# Altium PCB HollowClock4_1.PcbDoc
Units mm, origin at the board's own origin, x right, y up, seen from the top; angles counter-clockwise.
Board outline 69 x 42 mm, 2 copper layers (Top Layer, Bottom Layer), stack 0.8 mm thick; 35 components, 47 nets, 209 pads, 120 vias.
Unrouted connection lines stored in the file: 21.
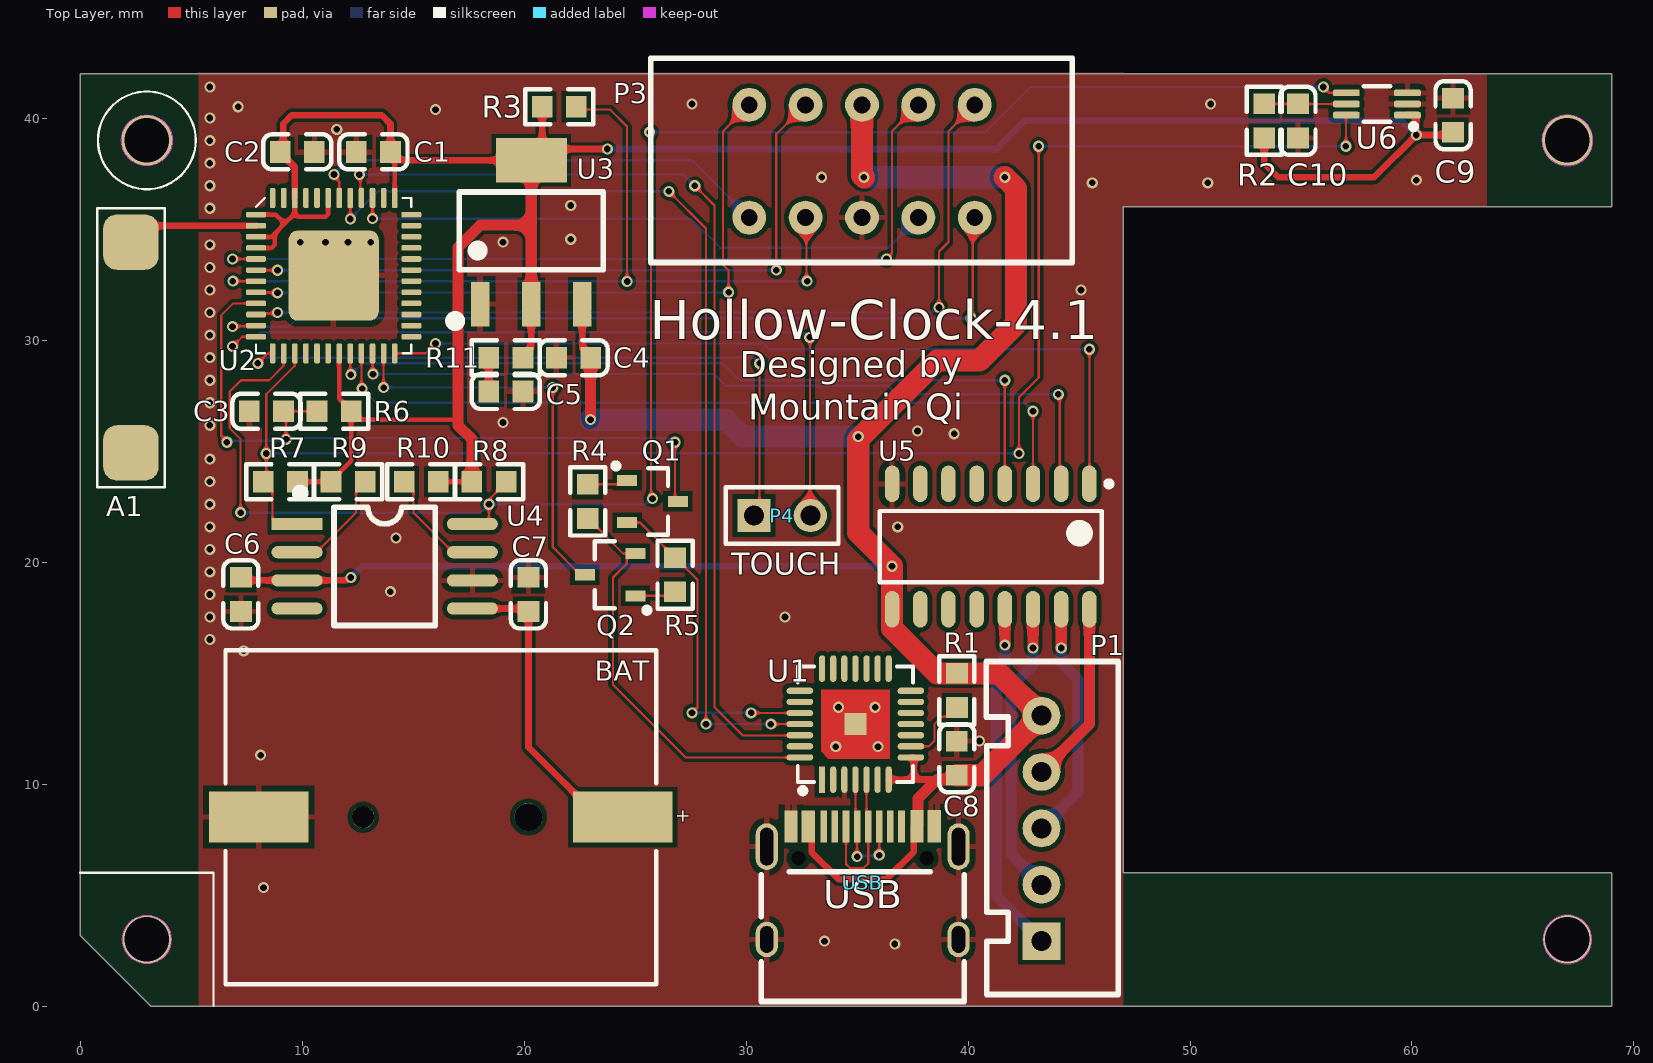
[diagram p0: Top Layer view]
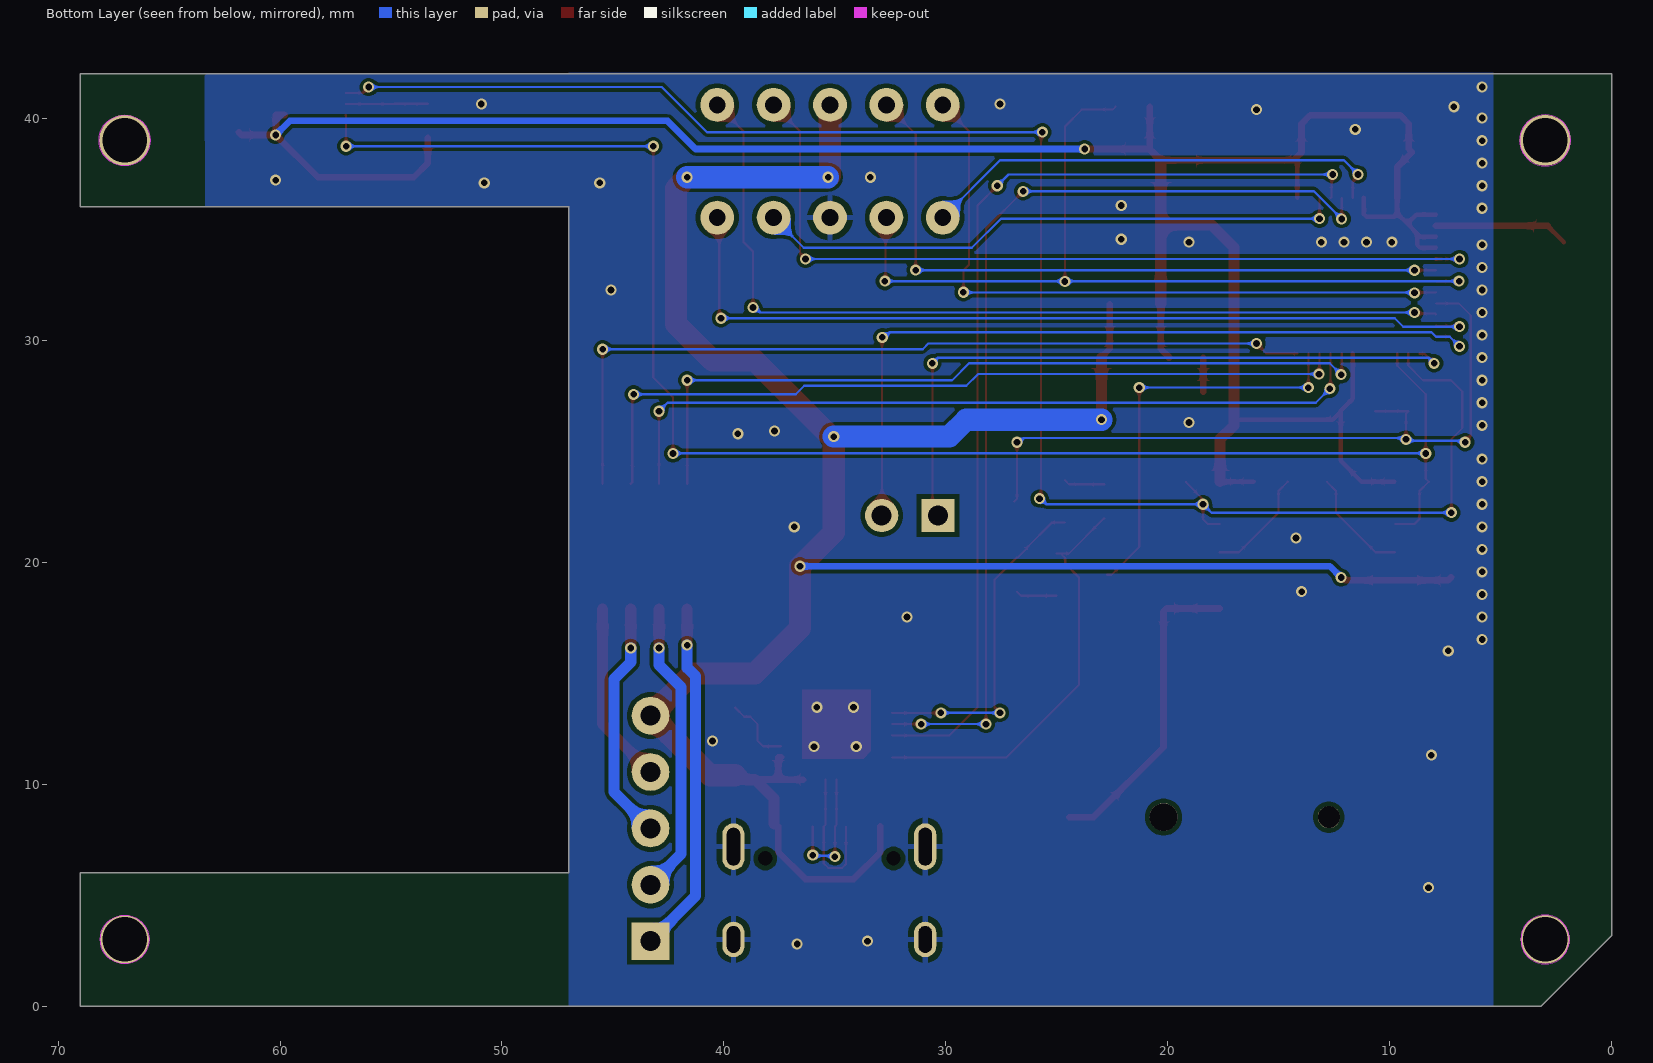
[diagram p1: Bottom Layer view, seen from below]
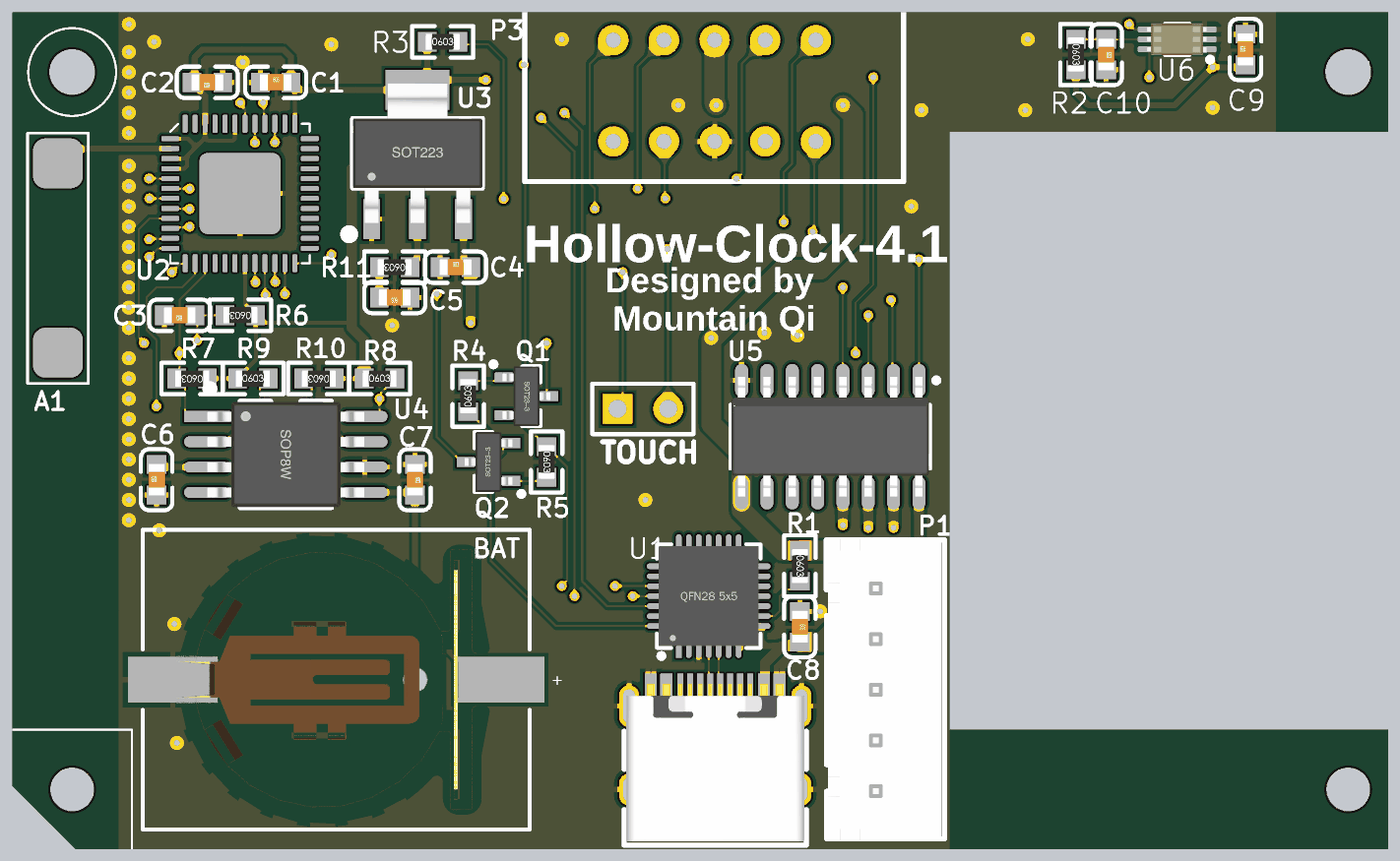
[diagram p2: 3D render of the assembled board from above, using the file's embedded part models]

## Layer stack, top to bottom
Top Solder: solder mask 0.1, Solder Resist, Dk 3.5
Top Layer: signal copper 0.2
Dielectric 1: dielectric 0.4, FR-4, Dk 4.8
Bottom Layer: signal copper 0.2
Bottom Solder: solder mask 0.1, Solder Resist, Dk 3.5

## Board outline
3.175,0 0,3.175 0,42 69,42 69,36 47,36 47,6 69,6 69,0
cut-out: 65.85,39 ccw(c67,39) 67,37.85 ccw(c67,39) 68.15,39 ccw(c67,39) 67,40.15 ccw(c67,39)
cut-out: 65.9,3 ccw(c67,3) 67,1.9 ccw(c67,3) 68.1,3 ccw(c67,3) 67,4.1 ccw(c67,3)
cut-out: 3,37.85 cw(c3,39) 1.85,39 cw(c3,39) 3,40.15 cw(c3,39) 4.15,39 cw(c3,39)
cut-out: 3,1.9 cw(c3,3) 1.9,3 cw(c3,3) 3,4.1 cw(c3,3) 4.1,3 cw(c3,3)
board region "Default Layer Stack Region": 3.175,0 0,3.175 0,42 69,42 69,36 47,36 47,6 69,6 69,0
board region "Layer Stack Region 1": 3.175,0 0,3.175 0,42 69,42 69,36 47,36 47,6 69,6 69,0

## Design rules (kind name [scope] priority, off if disabled: settings)
Clearance [All] p1: gap=0.15 ignorepadtopadclearanceinfootprint=FALSE except(0.2: SMDPad-Poly THPad-Poly)
PolygonConnect [All] p1: thpad.connectstyle=Relief thpad.reliefconductorwidth=0.254 thpad.reliefentries=4 thpad.polygonreliefangle="90 Angle" thpad.airgapwidth=0.254 smdpad.connectstyle=Relief smdpad.reliefconductorwidth=0.254 smdpad.reliefentries=4 smdpad.polygonreliefangle="90 Angle" smdpad.airgapwidth=0.254 via.connectstyle=Direct via.reliefconductorwidth=0.254 via.reliefentries=4 via.polygonreliefangle="90 Angle" via.airgapwidth=0.254
RoutingVias [All] p1: holewidth=0.3 width=0.5 viastyle="Through Hole" minholewidth=0.3 minwidth=0.5 maxholewidth=5 maxwidth=5
SolderMaskExpansion [All] p1: expansion=0.102 istentingtop=FALSE
Width [All] p1: maxlimit=10 minlimit=0.1 preferedwidth=0.1
30 further rules are at their usual default settings.

## Components (designator, comment, footprint, x,y, rotation, side; value= is the part's Value field where it differs from the comment)
A1 "RAINSUN" AN9520 2.286,34.417 r270 top
BAT "CR1220" FP-S8411-45R-MFG 16.243,8.509 r90 top locked (schematic designator BT)
C1 "10uF" 0603_C 13.208,38.481 r0 top value=0.1u
C2 "0.1uF" 0603_C 9.779,38.481 r180 top value=0.1u
C3 "1uF" 0603_C 8.39,26.797 r180 top value=0.1u
C4 "10uF" 0603_C 22.225,29.21 r0 top value=0.1u
C5 "10uF" 0603_C 19.177,27.686 r180 top value=0.1u
C6 "0.1uF" 0603_C 7.239,18.542 r90 top value=0.1u
C7 "0.1uF" 0603_C 20.193,18.542 r270 top value=0.1u
C8 "0.1uF" 0603_C 39.493,11.164 r270 top value=0.1u
C9 "0.1uF" 0603_C 61.849,40.132 r90 top value=0.1u
C10 "0.1uF" 0603_C 54.864,39.878 r270 top value=0.1u
P1 "28BYJ48" XH2.54-LI-5P 43.307,8.001 r90 top locked
P3 "Header 5X2" 10Pin-2.54-5*2 40.3,40.6 r180 top locked
P4 "电容按键" HDR1X2 30.353,22.098 r0 top
Q1 "S8050" SOT23-3 25.781,22.733 r270 top
Q2 "S8050" SOT23-3 23.876,19.431 r90 top
R1 "10K" 0603_R 39.497,14.216 r270 top value=22R
R2 "10K" 0603_R 53.34,39.878 r270 top value=22R
R3 "10K" 0603_R 21.582,40.513 r0 top value=22R
R4 "10K" 0603_R 22.86,22.733 r90 top value=22R
R5 "10K" 0603_R 26.797,19.431 r270 top value=22R
R6 "10K" 0603_R 11.438,26.797 r180 top value=22R
R7 "10K" 0603_R 9.017,23.622 r180 top value=22R
R8 "10K" 0603_R 18.415,23.622 r0 top value=22R
R9 "10K" 0603_R 12.065,23.622 r0 top value=22R
R10 "10K" 0603_R 15.367,23.622 r180 top value=22R
R11 "1R" 0603_R 19.177,29.21 r180 top value=22R
U1 "CP2102" "QFN28 5x5" 34.925,12.7 r0 top value=Value
U2 "ESP32-PICO-D4" QFN-48_7X7 11.418,32.905 r0 top
U3 "LM1117MP-3.3" SOT223 20.32,34.925 r0 top
U4 "SD3078" SOP8W 13.716,19.812 r0 top
U5 "ULN2003ADR" D0016A_M 41.021,20.701 r270 top
U6 "BH1750FVI-TR" BH1750 58.42,40.64 r180 top
USB "Type-C" "USB Type-C-16Pin_A" 35.25,3 r0 top locked

## Footprints (in the part's own frame and the unit in brackets; to place one, negate y for a bottom-side part, rotate by r counter-clockwise, add the part's x,y. Pads: shape width x height; smd on the part's side, far side on the other; paste and mask are expansions set on the pad)
10Pin-2.54-5*2 [mil] "10Pin双排插座"
  round 60 hole 30: 1(0,0) 2(0,200) 3(100,0) 4(100,200) 5(200,0) 6(200,200) 7(300,0) 8(300,200) 9(400,0) 10(400,200)
  silkscreen extent -173,-83 575,280, body extent -173,-87 575,276, height 614
0603_C [mm] "无极性贴片电容"
  rect 0.93x0.98 smd: 1(-0.77,0) 2(0.77,0)
  silkscreen extent -1.53,-0.79 1.54,0.79, body extent -0.8,-0.4 0.8,0.4, height 0.3
0603_R [mm] "1/10W贴片电阻"
  rect 0.93x0.98 smd: 1(-0.77,0) 2(0.77,0)
  silkscreen extent -1.53,-0.79 1.54,0.79, body extent -0.85,-0.4 0.85,0.4, height 0.56
AN9520 [mm] "贴片陶瓷天线"
  rrect50% 2.5x2.5 smd: 1(0,0) 2(9.5,0)
  silkscreen extent -1.52,-1.52 11.05,1.52
BH1750 [mm] "环境光传感器"
  rrect50% 1.2x0.3 smd paste+0 mask+0: 1(-1.375,0.5) 2(-1.375,0) 3(-1.375,-0.5) 4(1.375,-0.5) 5(1.375,0) 6(1.375,0.5)
  silkscreen extent -1.78,-0.8 0.6,1.14, body extent -1.49,-0.81 1.51,0.79, height 0.77
D0016A_M [mm] "SOIC, 16-Leads, Body 10x4mm, Pitch 1.27mm, IPC Low Density"
  oval 1.65x0.65 smd: 1(-2.825,4.445) 2(-2.825,3.175) 3(-2.825,1.905) 4(-2.825,0.635) 5(-2.825,-0.635) 6(-2.825,-1.905) 7(-2.825,-3.175) 8(-2.825,-4.445) 9(2.825,-4.445) 10(2.825,-3.175) 11(2.825,-1.905) 12(2.825,-0.635) 13(2.825,0.635) 14(2.825,1.905) 15(2.825,3.175) 16(2.825,4.445)
  silkscreen extent -2.95,-5 1.6,5.45, body extent -3,-4.95 3,4.95, height 1.59
FP-S8411-45R-MFG [mm]
  rect 2.3x4.5 smd paste+0 mask+0: 1(0,8.2) 2(0,-8.2)
  round 1 hole 1 unplated paste-1000 mask+0: ""(0,3.5)
  round 1.25 hole 1.25 unplated paste-1000 mask+0: ""(0,-3.95)
  silkscreen extent -7.52,-9.7 7.52,9.7, body extent -7.63,-10.55 7.63,10.55, height 0.25
HDR1X2 [mm] "Connector; Header; 2 Position"
  rect 1.5x1.5 hole 0.9: 1(0,0)
  round 1.5 hole 0.9: 2(2.54,0)
  silkscreen extent -1.27,-1.27 3.81,1.27
"QFN28 5x5" [mm] "28脚，长x宽x高：5x5x0.8mm，脚距：0.5mm"
  rect 0.28x1.2 smd: 1(-1.5,-2.5)
  oval 0.28x1.2 smd: 2(-1,-2.5) 3(-0.5,-2.5) 4(0,-2.5) 5(0.5,-2.5) 6(1,-2.5) 7(1.5,-2.5) 15(1.5,2.5) 16(1,2.5) 17(0.5,2.5) 18(0,2.5) 19(-0.5,2.5) 20(-1,2.5) 21(-1.5,2.5)
  oval 1.2x0.28 smd: 8(2.5,-1.5) 9(2.5,-1) 10(2.5,-0.5) 11(2.5,0) 12(2.5,0.5) 13(2.5,1) 14(2.5,1.5) 22(-2.5,1.5) 23(-2.5,1) 24(-2.5,0.5) 25(-2.5,0) 26(-2.5,-0.5) 27(-2.5,-1) 28(-2.5,-1.5)
  rect 1x1 smd: 29(0,0)
  Top Layer region: -1.55,1.55 1.55,1.55 1.55,-1.55 -1.225,-1.55 -1.55,-1.225
  silkscreen extent -2.6,-3.12 2.6,2.6, body extent -2.51,-2.51 2.51,2.51, height 0.75
QFN-48_7X7 [mm]
  rrect20% 4.064x4.064 smd: 0(0,0)
  rrect50% 0.9x0.25 smd: 1(-3.5,2.75) 2(-3.5,2.25) 3(-3.5,1.75) 4(-3.5,1.25) 5(-3.5,0.75) 6(-3.5,0.25) 7(-3.5,-0.25) 8(-3.5,-0.75) 9(-3.5,-1.25) 10(-3.5,-1.75) 11(-3.5,-2.25) 12(-3.5,-2.75) 25(3.5,-2.75) 26(3.5,-2.25) 27(3.5,-1.75) 28(3.5,-1.25) 29(3.5,-0.75) 30(3.5,-0.25) 31(3.5,0.25) 32(3.5,0.75) 33(3.5,1.25) 34(3.5,1.75) 35(3.5,2.25) 36(3.5,2.75)
  rrect50% 0.25x0.9 smd: 13(-2.75,-3.5) 14(-2.25,-3.5) 15(-1.75,-3.5) 16(-1.25,-3.5) 17(-0.75,-3.5) 18(-0.25,-3.5) 19(0.25,-3.5) 20(0.75,-3.5) 21(1.25,-3.5) 22(1.75,-3.5) 23(2.25,-3.5) 24(2.75,-3.5) 37(2.75,3.5) 38(2.25,3.5) 39(1.75,3.5) 40(1.25,3.5) 41(0.75,3.5) 42(0.25,3.5) 43(-0.25,3.5) 44(-0.75,3.5) 45(-1.25,3.5) 46(-1.75,3.5) 47(-2.25,3.5) 48(-2.75,3.5)
  silkscreen extent -3.5,-3.5 3.5,3.5, body extent -3.5,-3.5 3.5,3.5, height 1
SOP8W [mm] "5.3*8.3*1.8mm（长宽高）"
  rect 2.3x0.55 smd: 1(-3.95,1.905)
  oval 2.3x0.55 smd: 2(-3.95,0.635) 3(-3.95,-0.635) 4(-3.95,-1.905) 5(3.95,-1.905) 6(3.95,-0.635) 7(3.95,0.635) 8(3.95,1.905)
  silkscreen extent -3.94,-2.67 2.29,3.43, body extent -3.94,-2.64 3.94,2.64, height 1.9
SOT23-3 [mm] "3x1.3x1mm(长宽高)"
  rect 0.5x0.9 smd: 1(-0.95,-1.143) 2(0.95,-1.143) 3(0,1.143)
  silkscreen extent -1.72,-1.78 1.5,0.7, body extent -1.5,-1.2 1.5,1.2, height 1.05
SOT223 [mm] "6.4x7x1.6mm(长宽高)"
  rect 0.85x2 smd: 1(-2.3,-3.302) 2(0,-3.302) 3(2.3,-3.302)
  rect 3.2x2 smd: 2(0,3.175)
  silkscreen extent -3.63,-4.26 3.25,1.75, body extent -3.25,-3.51 3.25,3.51, height 1.65
"USB Type-C-16Pin_A" [mm]
  round 0 hole 0.65: 0(-2.89,3.65) 0(2.89,3.65)
  oval 1x2.1 hole 0.6 slot 1.7 at 90 deg: 1(-4.32,4.18) 4(4.32,4.18)
  oval 1x1.6 hole 0.6 slot 1.2 at 90 deg: 2(-4.32,0) 3(4.32,0)
  rect 0.3x1.45 smd: A1(-3.375,5.092) A4(-2.6,5.092) A5(-1.25,5.092) A6(-0.25,5.092) A7(0.25,5.092) A8(-1.75,5.092) A9(2.6,5.1) A12(3.375,5.1) B1(3.075,5.1) B4(2.3,5.1) B5(1.75,5.092) B6(0.75,5.092) B7(-0.75,5.092) B8(1.25,5.092) B9(-2.3,5.092) B12(-3.075,5.092)
  silkscreen extent -4.57,-2.79 4.57,3.05, body extent -4.47,-2.6 4.47,5.3, height 3.25
XH2.54-LI-5P [mm] "接插件，5P"
  rect 1.7x1.7 hole 0.9: 1(-5.08,0)
  round 1.7 hole 0.9: 2(-2.54,0) 3(0,0) 4(2.54,0) 5(5.08,0)
  silkscreen extent -7.48,-3.45 7.52,2.49, body extent -7.58,-3.3 7.58,2.4, height 7.03

## Part data
A1: library part ANT-Rainsun-AP5120
BAT: library part CMP-15817-000007-1, "BATTERY HOLDER COIN 12MM SMD", Case/Package=SMD/SMT, Max Operating Temperature=105°C, Min Operating Temperature=-55°C, Package Quantity=500, Contact Plating=Bronze, Material=Polyphenylene, Mount="Surface Mount", Number of Batteries=1, Number of Cells=1, Packaging="Tape and Reel", REACH SVHC="No SVHC", Termination=SMD/SMT
C1 C2 C3 C4 C5 C6 C7 C8 C9 C10: library part 电容-0402, "Capacitor"
P1: library part "Header 5", "Header, 5-Pin", LatestRevisionDate=17-Jul-2002, LatestRevisionNote="Re-released for DXP Platform.", Publisher="Altium Limited"
P3: "Header, 5-Pin, Dual row", LatestRevisionDate=17-Jul-2002, LatestRevisionNote="Re-released for DXP Platform.", Publisher="Altium Limited"
P4: library part "Header 2", "Header, 2-Pin", LatestRevisionDate=17-Jul-2002, LatestRevisionNote="Re-released for DXP Platform.", Publisher="Altium Limited"
Q1 Q2: library part SMT_TRIODE_NPN, "Surface mount NPN transistor, package SOT-23"
R1 R2 R3 R4 R5 R6 R7 R8 R9 R10 R11: library part 电阻-0402, "Resistor"
U1: "USB转TTL", MFG #1="SILICON LABS", PART DESC="SINGLE-CHIP USB TO UART BRIDGE, QFN28, RoHS.", PART NUMBER=CP2102, RefDes=RefDes, Type=DEV
U2: library part ESP32-PICO
U3: library part PM-REG-LM1086-SOT4, "800mA Low-Dropout Linear Regulator, 4-pin SOT-223", Manufacturer="National Semiconductor", PackageTopMarking=XYTT*N05A, PowerWise=N, Code_IPC=SOT223-4, Code_JEDEC=TO-261-AA, ComponentLink1Description="Manufacturer URL", ComponentLink1URL=http://www.national.com/, ComponentLink2Description="LM1117 Datasheet", ComponentLink2URL=http://www.national.com/ds/LM/LM1117.pdf, ComponentLink3Description="LM1117 Web Page", ComponentLink3URL=http://www.national.com/pf/LM/LM1117.html, ComponentLink4Description="MP04A Package Page", ComponentLink4URL=http://www.national.com/packaging/folders/mp04a.html, CompType="LDO IC", DatasheetVersion=Apr-2006, High-Reliability=Y, PackageDescription="Molded SOT-223, 6.50 x 3.56 x 1.6mm Body, 4 Lead, 2.3mm Pitch", PackageReference=MP04A, PackageVersion="revB, Apr-2003", PartNumber=LM1117MP-3.3, PinCount=4, RevisionNote="SCH symbol layout adjusted", RoHS=N
U4: BOM_JLCPCB Part Class="Extended Part", BOM_Manufacturer=WAVE(威帆电子), BOM_Manufacturer Part=SD3078, BOM_Supplier=LCSC, BOM_Supplier Part=C916255, Contributor=lcsc, link=https://atta.szlcsc.com/upload/public/pdf/source/20220505/0AE3F2E5FBD9F5D8ADBB440EBFD40241.pdf, spicePre=U, spiceSymbolName=SD3078
U5: library part CMP-2000-04953-1, "High-Voltage, High-Current Darlington Transistor Array, 0.5 A, 50 V, -20 to 70 degC, 16-Pin SOIC (D), Green (RoHS & no Sb/Br), Tape and Reel", Manufacturer=TexasInstruments, Maximum Collector Emitter Saturation Voltage=1.1@100mA, Maximum Collector Emitter Voltage=50V, Package=16SOIC, Package Description="16-Pin Plastic Small Outline, Body 9.9 x 3.9 mm, Pitch 1.27 mm", Package Reference=D16, Package Version="4040047-6/M, 06/2011", Peak DC Collector Current=0.5A, Category=DarlingtonBJT, Configuration=Array7, Datasheet URL=http://www.ti.com/general/docs/lit/getliterature.tsp?genericPartNumber=uln2003a&fileType=pdf, Datasheet Version="Rev. O, 01/2016", Manufacturer URL=http://www.ti.com/, Mounting=SurfaceMount, Package URL=http://www.ti.com/lit/ml/mpds178g/mpds178g.pdf, Packaging=Tape&Reel, Rad Hard=No, Type=NPN
U6: "光照传感器"
USB: library part USB-Type-C-TOP

## Free pads (board coordinates)
  round 2.2 hole 2: 4(3,3) 4(67,3)
  round 2.3 hole 2: 4(3,39) 4(67,39)

## Via types
v1: diameter 0.5, hole 0.3, Top Layer to Bottom Layer, 120 vias

## Nets (pads, with @x,y where several pads share a name; then routed paths per layer and width w, separated by ;. In a path a pad name is that pad's centre, name@x,y a point inside that pad or via, vN(x,y) a via of type N, cw(c..) or ccw(c..) an arc to the next point about the centre after c; other vN are vias at no path point)
3V3: C1.2 C2.2 C9.1 R2.2 R3.1 R6.1 R7.1 R8.1 R9.1 R10.1 R11.1 U2.1 U2.3 U2.4 U2.19 U2.37 U2.43 U2.46 U3.2 U6.1 | length 119.3
  Top Layer w0.2: U2.4 8.628,34.155 8.763,34.29 8.763,34.798 ; U2.3 8.62,34.655 8.763,34.798 ; U2.1 8.81,35.655 9.215,35.25 ; U2.46 9.668,35.703 ; R7.1 R9.1 11.295,23.647 12.208,24.56 R6.1@12.208,26.781 ; U2.43 11.168,35.679 11.049,35.56 9.81,35.56 9.668,35.703 ; U2.19 11.668,27.362 12.208,26.822 R6.1 R6.1@12.208,26.781 ; U2.37 C1.2@14.168,38.266 ; R10.1 R8.1 ; 17.018,26.416 12.573,26.416 R6.1@12.208,26.781 ; 8.763,34.798 9.215,35.25 ; 9.215,35.25 9.668,35.703
  Top Layer w0.3: U2.46 9.668,37.797 9.009,38.456 C2.2 9.144,38.616 9.144,39.751 9.525,40.132 13.589,40.132 13.978,39.743 C1.2 13.978,38.456 14.168,38.266 14.334,38.1 20.32,38.1 U3.2@20.812,38.592 ; R11.1 19.947,29.235 20.32,29.608 U3.2@20.32,31.623 ; R3.1 U3.2@20.812,38.592 ; v1(23.749,38.608) 20.828,38.608 U3.2@20.812,38.592 ; R2.2 53.34,37.973 53.975,37.338 58.293,37.338 v1(60.198,39.243) ; U6.1 60.184,40.14 60.184,39.257 v1(60.198,39.243) ; C9.1 61.73,39.243 v1(60.198,39.243)
  Top Layer w0.5: R8.1 17.645,25.535 17.018,26.162 17.018,26.416 17.018,34.163 18.034,35.179 20.32,35.179 ; U3.2@20.32,31.623 20.32,35.179 ; U3.2@20.32,38.1 20.32,35.179
  Bottom Layer w0.3: v1(23.749,38.608) 41.275,38.608 42.545,39.878 59.563,39.878 v1(60.198,39.243)
5V: C4.2 C6.2 C8.2 P1.5 P3.5 R1.1 U1.7 U1.8 U3.3 U4.3 U5.9 USB.A4 USB.A9 USB.B4 USB.B9 | length 110.1
  Top Layer w0.3: C6.2 7.374,19.177 U4.3 12.011,19.177 12.138,19.304 v1(12.192,19.304) ; U3.3 22.62,29.61 22.995,29.235 C4.2 C4.2@22.987,29.202 ; USB.B9 32.95,6.928 34.163,5.715 36.322,5.715 37.55,6.943 USB.B4 ; U1.7 37.55,10.2 ; U1.8 37.54,11.2 37.55,11.19 37.55,10.2 ; 38.608,10.2 37.55,10.2
  Top Layer w0.5: v1(22.987,26.416) C4.2@22.987,29.202 ; USB.A9@37.75,8.2 37.75,9.342 38.608,10.2 39.029,10.2 39.299,10.2 C8.2
  Top Layer w1: P3.5 35.22,37.424 v1(35.306,37.338) ; C8.2 40.62,10.394 P1.5 41.402,14.986 38.608,14.986 36.576,17.018 U5.9 v1(36.576,19.812) 35.052,21.336 35.052,25.527 38.608,29.083 40.513,29.083 42.164,30.734 42.164,36.83 v1(41.656,37.338)
  Bottom Layer w0.3: v1(12.192,19.304) 12.7,19.812 v1(36.576,19.812)
  Bottom Layer w1: v1(22.987,26.416) 29.083,26.416 29.845,25.654 v1(35.052,25.654) ; v1(35.306,37.338) v1(41.656,37.338)
BlueLine: P1.1 U5.13 | length 16
  Top Layer w0.5: v1(41.656,16.256) U5.13
  Bottom Layer w0.5: v1(41.656,16.256) 41.656,15.24 41.275,14.859 41.275,4.953 P1.1
CP_Rx: U1.25 U2.41 | length 44.8
  Top Layer w0.1: U2.41 v1(12.168,35.457) v1@12.192,35.433 ; v1(26.517,36.703) 28.194,35.026 v1(28.194,12.7) ; v1(31.115,12.7) U1.25
  Bottom Layer w0.1: v1(12.168,35.457) 13.413,36.703 v1(26.517,36.703) ; v1(28.194,12.7) v1(31.115,12.7)
CP_Tx: U1.26 U2.40 | length 44.7
  Top Layer w0.1: v1(12.573,37.465) 12.62,37.418 12.62,36.453 U2.40 ; v1(27.686,36.957) 28.575,36.068 28.575,13.462 29.845,12.192 32.417,12.192 U1.26
  Bottom Layer w0.1: v1(12.573,37.465) 27.178,37.465 v1(27.686,36.957)
DTR: Q2.2 R4.1 U1.28 | length 18.8
  Top Layer w0.1: R4.1 22.885,21.963 24.467,20.381 Q2.2@24.819,20.381 ; Q2.2 Q2.2@24.819,20.381 ; U1.28 27.281,11.2 24.003,14.478 24.003,19.304 24.619,19.92 24.619,20.181 Q2.2@24.819,20.381
EN: C3.1 Q1.3 R6.2 U2.9 | length 33.5
  Top Layer w0.1: v1(6.604,25.4) 6.604,25.458 6.35,25.712 6.35,31.115 6.89,31.655 U2.9 ; v1(9.271,25.527) 9.271,26.686 C3.1 R6.2 ; v1(26.797,25.4) 26.797,22.86 Q1.3
  Bottom Layer w0.1: v1(6.604,25.4) 6.667,25.463 9.207,25.463 9.335,25.59 26.498,25.59 26.689,25.4 v1(26.797,25.4)
GND: BAT.1 C1.1 C2.1 C3.2 C4.1 C5.1 C6.1 C7.1 C8.1 C9.2 C10.2 P3.6 U1.3 U1.29 U2.0 U3.1 U4.6 U5.8 U6.2 U6.3 USB.1 USB.2 USB.3 USB.4 USB.A1 USB.A12 USB.B1 USB.B12
  other v1: 36.703,2.794 33.528,2.921 8.255,5.334 8.128,11.303 34.036,11.684 35.941,11.684 40.513,11.938 34.163,13.462 35.814,13.462 7.366,16.002 5.842,16.51 5.842,17.526 31.75,17.526 5.842,18.542 13.97,18.669 5.842,19.558 5.842,20.574 14.224,21.082 5.842,21.59 36.83,21.59 5.842,22.606 5.842,23.622 5.842,24.638 39.37,25.781 37.719,25.908 5.842,26.162 19.05,26.289 5.842,27.178 5.842,28.194 5.842,29.21 5.842,30.226 5.842,31.242 5.842,32.258 45.085,32.258 5.842,33.274 5.842,34.29 9.906,34.417 11.049,34.417 12.065,34.417 13.081,34.417 19.05,34.417 22.098,34.544 5.842,35.941 22.098,36.068 5.842,36.957 45.593,37.084 50.8,37.084 60.198,37.211 33.401,37.338 5.842,37.973 5.842,38.989 11.557,39.497 5.842,40.005 16.002,40.386 7.112,40.513 27.559,40.64 50.927,40.64 5.842,41.402
GPIO0: Q2.3 U2.23 | length 18.4
  Top Layer w0.1: U2.23 v1(13.668,27.861) v1@13.716,27.813 ; v1(21.288,27.861) 21.288,20.676 22.533,19.431 Q2.3
  Bottom Layer w0.1: v1(13.668,27.861) v1(21.288,27.861) v1@21.336,27.813
GPIO2: U2.22 U5.2 | length 36.3
  Top Layer w0.1: U2.22 13.168,28.488 v1(13.188,28.468) v1@13.208,28.448 ; v1(44.069,27.559) 44.133,27.495 44.133,23.59 U5.2
  Bottom Layer w0.1: v1(13.188,28.468) 28.555,28.468 29.083,27.94 36.386,27.94 36.767,27.559 v1(44.069,27.559)
GPIO4: U2.24 U5.1 | length 37.7
  Top Layer w0.1: U2.24 15.562,29.405 v1(16.002,29.845) ; U5.1 v1(45.466,29.591)
  Bottom Layer w0.1: v1(16.002,29.845) 30.788,29.845 31.042,29.591 v1(45.466,29.591)
GPIO5: U2.34
GPIO12: U2.18
GPIO13: U2.20 U5.4 | length 35.6
  Top Layer w0.1: U2.20 12.168,28.472 v1(12.192,28.448) ; U5.4 v1(41.656,28.194)
  Bottom Layer w0.1: v1(12.192,28.448) 12.7,28.956 28.956,28.956 29.718,28.194 v1(41.656,28.194)
GPIO14: U2.17
GPIO15: U2.21 U5.3 | length 35.5
  Top Layer w0.1: U2.21 12.668,27.845 v1(12.7,27.813) ; U5.3 v1(42.926,26.797)
  Bottom Layer w0.1: v1(12.7,27.813) 13.335,27.178 42.545,27.178 v1(42.926,26.797)
GPIO18: U2.35
GPIO19: U2.38
GPIO21: P3.10 U2.42 | length 21.2
  Top Layer w0.1: v1(11.43,37.465) 11.43,37.375 11.668,37.137 U2.42
  Bottom Layer w0.1: v1(11.43,37.465) 12.065,38.1 27.56,38.1 P3.10
GPIO22: P3.4 U2.39 | length 26.7
  Top Layer w0.1: U2.39 v1(13.168,35.473) v1@13.208,35.433
  Bottom Layer w0.1: v1(13.168,35.473) 27.519,35.473 28.829,34.163 36.403,34.163 P3.4
GPIO23: U2.36
GPIO27: U2.16
GPIO32: P4.2 U2.12 | length 35.7
  Top Layer w0.1: v1(6.858,29.718) 7.295,30.155 U2.12 ; v1(32.865,30.127) 32.879,30.113 32.879,22.112 P4.2
  Bottom Layer w0.1: v1(6.858,29.718) 7.297,30.157 7.918,30.157 7.921,30.16 7.95,30.19 8.118,30.357 32.527,30.357 32.785,30.099 v1@32.893,30.099
GPIO33: P4.1 U2.13 | length 30.6
  Top Layer w0.1: v1(8.001,28.956) 8.435,29.39 8.652,29.39 U2.13 ; P4.1 30.607,22.352 v1(30.607,28.956)
  Bottom Layer w0.1: v1(8.001,28.956) 8.255,29.21 30.353,29.21 v1(30.607,28.956)
GPIO34: P3.1 U2.10 | length 40.7
  Top Layer w0.1: U2.10 7.961,31.199 8.847,31.199 v1(8.89,31.242) ; v1(38.691,31.471) 38.691,33.992 39.116,34.417 39.116,39.416 P3.1
  Bottom Layer w0.1: v1(8.89,31.242) 38.355,31.242 38.584,31.471 v1(38.691,31.471)
GPIO35: P3.2 U2.11 | length 39.1
  Top Layer w0.1: v1(6.858,30.607) 6.882,30.631 7.893,30.631 U2.11 ; v1(40.132,30.988) 40.209,31.065 40.209,35.429 P3.2
  Bottom Layer w0.1: v1(6.858,30.607) 9.398,30.607 9.779,30.988 v1(40.132,30.988)
GPIO36: P3.3 U2.5 | length 38.1
  Top Layer w0.1: v1(6.858,33.655) U2.5 ; v1(36.322,33.655) 36.576,33.909 36.576,39.416 P3.3
  Bottom Layer w0.1: v1(6.858,33.655) v1(36.322,33.655)
GPIO37: P3.7 U2.6 | length 31.4
  Top Layer w0.1: U2.6 7.922,33.151 8.886,33.151 v1(8.89,33.147) ; v1(31.361,33.155) 31.361,39.281 P3.7
  Bottom Layer w0.1: v1(8.89,33.147) 8.894,33.151 31.356,33.151 v1(31.361,33.155)
GPIO38: P3.8 R3.2 U2.7 | length 39.5
  Top Layer w0.1: v1(6.874,32.655) U2.7 ; R3.2 22.479,40.386 23.876,40.386 24.638,39.624 v1(24.638,32.639) ; P3.8 32.715,35.485 32.715,32.69 v1(32.75,32.655)
  Top Layer w0.2: v1@6.858,32.639 v1(6.874,32.655)
  Bottom Layer w0.1: v1(6.874,32.655) v1(32.75,32.655)
GPIO39: P3.9 U2.8 | length 30.4
  Top Layer w0.1: U2.8 7.93,32.143 8.878,32.143 v1(8.89,32.131) ; v1(29.21,32.155) 29.21,33.147 28.956,33.401 28.956,39.416 P3.9
  Bottom Layer w0.1: v1(8.89,32.131) 8.902,32.143 29.198,32.143 v1(29.21,32.155)
NetA1_1: A1.1 U2.2 | length 6.1
  Top Layer w0.2: A1.1@2.159,34.417 A1.1@2.897,35.155
  Top Layer w0.3: A1.1@2.897,35.155 U2.2
NetC5_2: C5.2 R11.2 | length 1.5
  Top Layer w0.3: C5.2 R11.2
NetC10_1: C10.1 R2.1 U6.5 | length 3.7
  Top Layer w0.1: R2.1 C10.1 54.872,40.64 U6.5
NetQ1_1: Q1.1 R4.2 | length 1.9
  Top Layer w0.1: R4.2 24.458,23.503 Q1.1
NetQ2_1: Q2.1 R5.2 | length 1.9
  Top Layer w0.1: Q2.1 26.617,18.481 R5.2
NetR1_2: R1.2 U1.9 | length 3.2
  Top Layer w0.1: U1.9 38.243,11.7 38.481,11.938 38.481,12.7 38.812,13.031 39.082,13.031 R1.2
NetR9_2: R9.2 U4.2 | length 5
  Top Layer w0.1: U4.2 10.641,20.447 12.42,22.226 12.42,23.207 R9.2
OrangeLine: P1.4 U5.16 | length 8.2
  Top Layer w0.5: P1.4 45.466,12.7 U5.16
PinkLine: P1.2 U5.14 | length 13.4
  Top Layer w0.5: v1(42.926,16.129) U5.14
  Bottom Layer w0.5: v1(42.926,16.129) 42.926,15.367 41.925,14.366 41.925,6.843 P1.2
RTC_BAT: BAT.2 C7.2 U4.5 | length 14.3
  Top Layer w0.3: U4.5 20.058,17.907 C7.2 20.193,11.659 23.343,8.509 BAT.2
RTC_INT: R10.2 U4.7 | length 5
  Top Layer w0.1: R10.2 15.012,23.207 15.012,22.226 16.791,20.447 U4.7
RTC_SCL: R7.2 U2.15 U4.1 U6.6 | length 72.8
  Top Layer w0.1: U2.15 9.668,28.845 8.382,27.559 v1(8.382,24.892) 8.382,23.757 R7.2 8.662,23.207 8.662,21.946 8.891,21.717 U4.1 ; v1(42.291,24.892) 42.291,27.432 43.18,28.321 v1(43.18,38.735) ; v1(57.023,38.735) 57.023,40.118 U6.6
  Bottom Layer w0.1: v1(8.382,24.892) 8.394,24.904 42.279,24.904 v1(42.291,24.892) ; v1(43.18,38.735) v1(57.023,38.735)
RTC_SDA: R8.2 U2.14 U4.8 U6.4 | length 79.8
  Top Layer w0.1: v1(7.225,22.228) 7.225,25.541 6.731,26.035 6.731,27.686 7.239,28.194 8.509,28.194 9.168,28.853 U2.14 ; U4.8 18.207,21.717 18.415,21.925 v1(18.415,22.606) 18.492,22.683 18.492,22.904 19.185,23.597 R8.2 ; v1(25.654,39.37) 25.717,39.306 25.717,22.924 v1(25.781,22.86) ; v1(56.007,41.402) 56.269,41.14 U6.4
  Bottom Layer w0.1: v1(7.225,22.228) 18.037,22.228 18.307,22.498 18.307,22.606 25.469,22.606 25.723,22.86 v1(25.781,22.86) ; v1(25.654,39.37) 40.767,39.37 42.799,41.402 v1(56.007,41.402)
RTS: Q1.2 R5.1 U1.24 | length 15.2
  Top Layer w0.1: Q1.2 25.215,21.783 26.357,20.641 26.357,20.616 26.772,20.201 R5.1 26.822,20.201 27.813,19.21 27.813,13.462 v1(27.559,13.208) ; v1(30.226,13.208) 30.23,13.204 32.421,13.204 U1.24
  Bottom Layer w0.1: v1(27.559,13.208) v1(30.226,13.208)
USB-PWR-DM: U1.5 USB.A7 USB.B7 | length 6.7
  Top Layer w0.1: USB.B7 34.5,6.394 34.671,6.223 35.306,6.223 35.5,6.417 USB.A7 35.425,8.167 U1.5
USB-PWR-DP: U1.4 USB.A6 USB.B6 | length 5.9
  Top Layer w0.1: U1.4 34.925,8.167 USB.A6 v1(35,6.731) ; USB.B6 v1(36,6.799) v1@36.068,6.731
  Bottom Layer w0.1: v1(35,6.731) 35.034,6.765 35.966,6.765 v1(36,6.799)
YellowLine: P1.3 U5.15 | length 10.9
  Top Layer w0.5: v1(44.196,16.129) U5.15
  Bottom Layer w0.5: P1.3 44.958,9.652 44.958,14.732 44.196,15.494 v1(44.196,16.129)
pads on no net: A1.2 BAT. U1.1 U1.2 U1.6 U1.10 U1.11 U1.12 U1.13 U1.14 U1.15 U1.16 U1.17 U1.18 U1.19 U1.20 U1.21 U1.22 U1.23 U1.27 U2.25 U2.26 U2.27 U2.28 U2.29 U2.30 U2.31 U2.32 U2.33 U2.44 U2.45 U2.47 U2.48 U4.4 U5.5 U5.6 U5.7 U5.10 U5.11 U5.12 USB.0 USB.A5 USB.A8 USB.B5 USB.B8

## Polygon pours and split planes (outlines as drawn)
GND on Bottom Layer "GND_L02_P001" (solid, remove dead copper, pour order 1): 5.334,42.037 47,42.037 63.387,42 63.363,36 47,36 47,0 5.334,0
GND on Top Layer "GND_L01_P000" (solid, remove dead copper, pour order 0): 5.334,42.037 47,42.037 63.373,42 63.373,36 47,36 47,0 5.334,0

## Silkscreen, mask and mechanical layers (free items; w line width, h text height)
Top Overlay:
  circle w0.1: c3,39 r2.202
  lines w0.1: 0,6 6,6 6,0
  text "Hollow-Clock-4.1" at 25.654,29.464 h3
  text "Designed by" at 29.718,27.94 h2
  text "Mountain Qi" at 30.099,26.035 h2
  text "TOUCH" at 29.337,19.431 h1
Mechanical 1:
  circle w0.1: c67,3 r1.1
  circle w0.1: c3,39 r1.15
  circle w0.1: c67,39 r1.15
  circle w0.1: c3,3 r1.1
  lines w0.025: 0,3.175 0,42 47,42 69,42 69,36 47,36 47,6 69,6 69,0 47,0 3.175,0 0,3.175

## Text inside footprints (layer, text, board x,y; h text height)
BAT: Top Overlay "+" at 27.618,8.209 h1 r90